# KiCad board 2000ATX.kicad_pcb (continued)
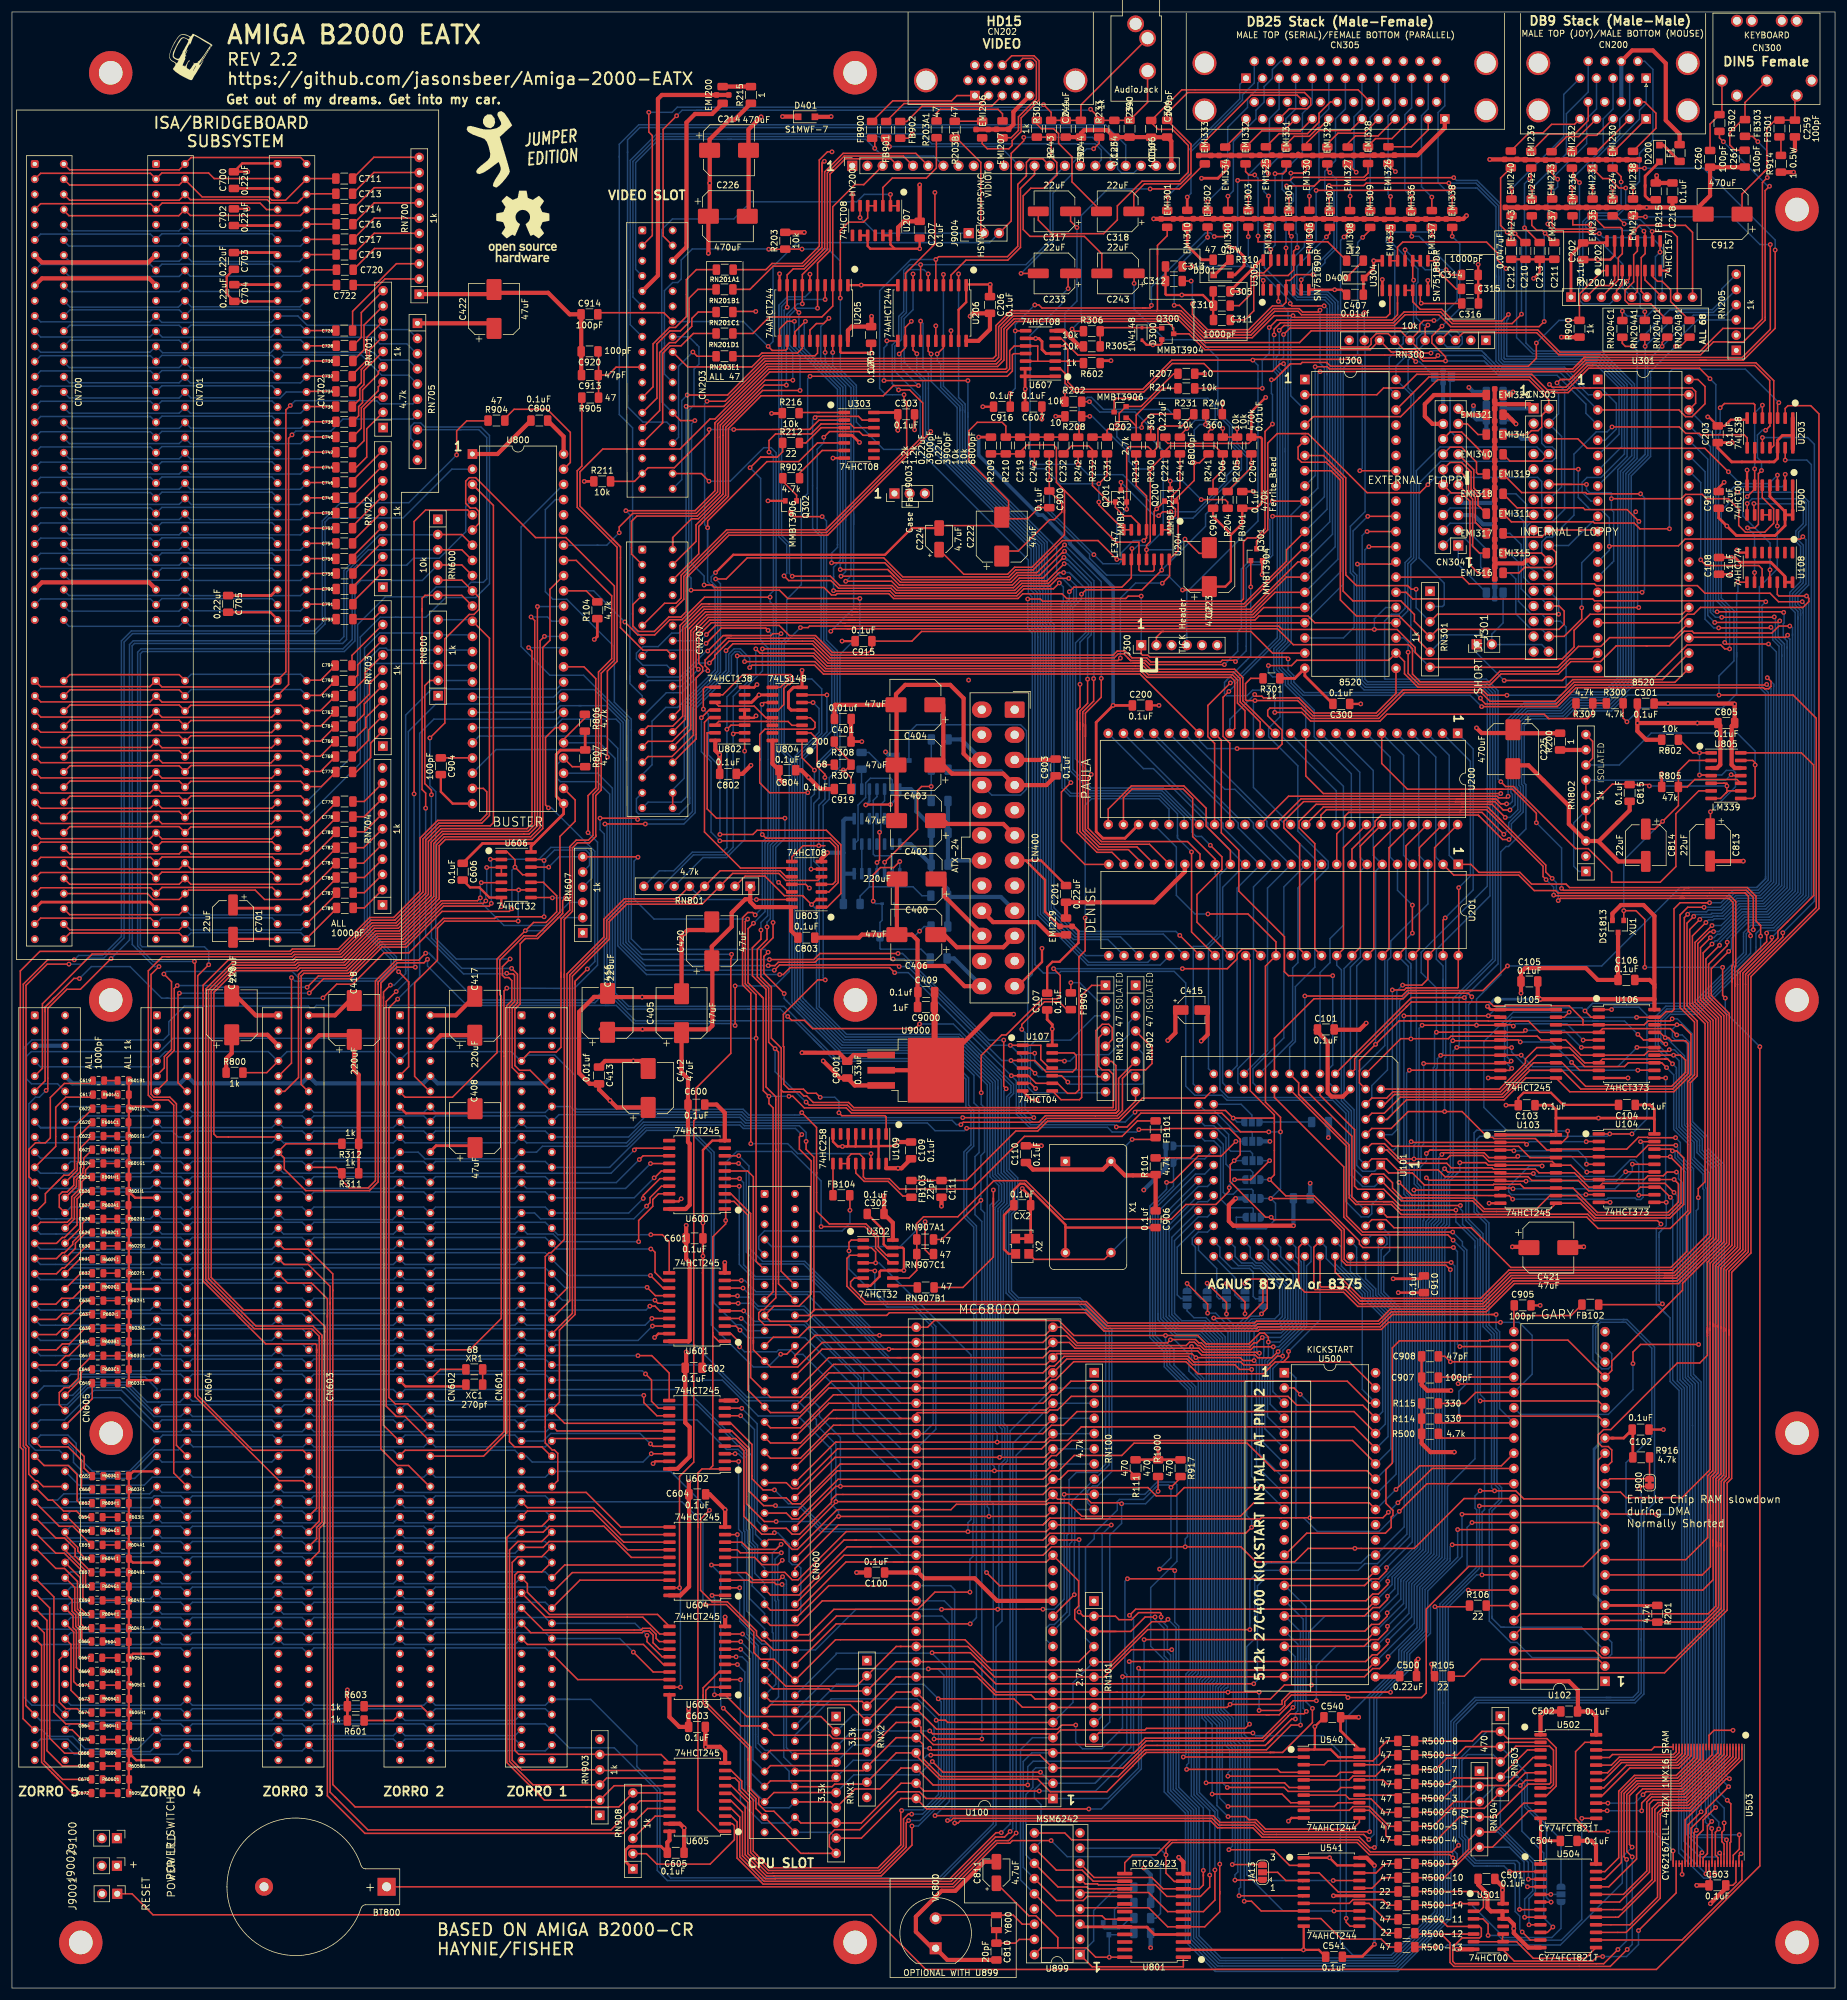
[diagram p0: board, top side]
## Nets (continued)
ECDAC: CN601.15 CN602.15 CN603.15 CN604.15 CN605.15 RN902.8
FC0: CN600.31 RN100.2 U100.28 U605.5
FC1: CN600.33 RN100.3 U100.27 U605.4
FC2: CN600.35 RN100.4 U100.26 U605.3
FLTLEFT: C244.1 CN203.3 CN205.T R243.1 R244.2
FLTRIGHT: C234.1 CN203.4 CN205.R R233.1 R234.2
G0: CN207.6 HY200.11 U206.12
G1: CN207.7 HY200.10 U206.14
G2: CN207.8 HY200.9 U206.16
G3: HY200.8 RN201C1.1 U206.18
M0H: RN204D1.2 RN205.4 U201.9
M0V: RN204C1.2 RN205.6 U201.38
M1H: RN204B1.2 RN205.3 U201.8
M1V: RN204A1.2 RN205.5 U201.39
OVL: U102.30 U300.2
PBUSY: CN207.18 EMI336.1 RN300.6 U301.2 U301.39
PPD0: CN207.23 EMI302.1 U300.10
PPD1: CN207.24 EMI303.1 U300.11
PPD2: CN207.25 EMI304.1 U300.12
PPD3: CN207.26 EMI305.1 U300.13
PPD4: CN207.27 EMI306.1 U300.14
PPD5: CN207.28 EMI307.1 U300.15
PPD6: CN207.29 EMI308.1 U300.16
PPD7: CN207.30 EMI309.1 U300.17
PPOUT: CN207.16 EMI337.1 RN300.7 U301.3 U301.40
PSEL: CN207.21 EMI338.1 Q300.3 RN300.8 U301.4
PSTROBE: CN203.36 EMI301.1 RN300.9 U300.18
R0: CN207.2 HY200.6 U205.9
R1: CN207.3 HY200.5 U205.7
R2: CN207.4 HY200.4 U205.5
R3: HY200.3 RN201D1.1 U205.3
R_W: CN600.68 RN101.6 U100.9 U101.22 U102.12 U300.22 U301.22 U605.6
RAWLEFT: CN207.33 Q200.2 R240.1 R241.2 U204.14
RAWRIGHT: CN207.35 Q201.2 R230.1 R231.2 U204.8
READ: C658.2 CN601.68 CN602.68 CN603.68 CN604.68 CN605.68 RN903.2 U605.14 U800.35
RGA1: U101.33 U200.26 U201.17
RGA2: U101.32 U200.25 U201.16
RGA3: U101.31 U200.24 U201.15
RGA4: U101.30 U200.23 U201.14
RGA5: U101.29 U200.22 U201.13
RGA6: U101.28 U200.21 U201.12
RGA7: U101.27 U200.20 U201.11
RGA8: U101.26 U200.19 U201.10
TBASE: C915.1 CN207.14 J300.2 U300.19
VCDAC: CN207.15 CN600.15 RN902.6
Vref: C219.1 C224.1 R209.2 R210.1 U204.10 U204.12
XCLK: R212.1 U109.14
XRDY: CN600.18 CN601.18 CN602.18 CN603.18 CN604.18 CN605.18 R114.1 U102.31
Net-(BT800-Pad1): BT800.1 R803.1
Net-(C112-Pad2): C112.2 JA5.1
Net-(C201-Pad1): C201.1 EMI229.2 U201.19
Net-(C204-Pad1): C204.1 Q202.3 R204.1 R205.1 R206.1
Net-(C210-Pad1): C210.1 EMI243.1 U200.32
Net-(C211-Pad1): C211.1 EMI242.1 U200.33
Net-(C212-Pad1): C212.1 EMI240.2 U200.35
Net-(C213-Pad1): C213.1 EMI239.2 U200.36
Net-(C231-Pad1): C231.1 C233.1 U204.6 U204.7
Net-(C231-Pad2): C231.2 R231.1 R232.2
Net-(C232-Pad1): C232.1 Q201.1 R232.1 U204.5
Net-(C233-Pad2): C233.2 R233.2
Net-(C241-Pad1): C241.1 C243.1 U204.1 U204.2
Net-(C241-Pad2): C241.2 R241.1 R242.2
Net-(C242-Pad1): C242.1 Q200.1 R242.1 U204.3
Net-(C259-Pad1): C259.1 C912.1 CN300.5 FB301.1
Net-(C260-Pad1): C260.1 CN300.1 FB302.1
Net-(C304-Pad1): C304.1 C318.1 CN305.36
Net-(C306-Pad1): C306.1 C317.2 CN305.43
Net-(C310-Pad1): C310.1 EMI331.1 U305.13
Net-(C311-Pad1): C311.1 EMI330.1 U305.10
Net-(C312-Pad1): C312.1 EMI329.1 U305.4
Net-(C313-Pad1): C313.1 EMI328.1 U305.1
Net-(C314-Pad2): C314.2 EMI325.1 U304.11
Net-(C315-Pad2): C315.2 EMI326.1 U304.8
Net-(C316-Pad2): C316.2 EMI327.1 U304.6
Net-(C318-Pad2): C318.2 R302.2
Net-(C617-Pad1): C617.1 R601A1.2
Net-(C619-Pad1): C619.1 R601B1.2
Net-(C620-Pad1): C620.1 R601C1.2
Net-(C621-Pad1): C621.1 R601D1.2
Net-(C622-Pad1): C622.1 R601E1.2
Net-(C623-Pad1): C623.1 R601F1.2
Net-(C624-Pad1): C624.1 R601G1.2
Net-(C625-Pad1): C625.1 R601H1.2
Net-(C626-Pad1): C626.1 R601I1.2
Net-(C627-Pad1): C627.1 R602A1.2
Net-(C628-Pad1): C628.1 R602B1.2
Net-(C629-Pad1): C629.1 R602C1.2
Net-(C630-Pad1): C630.1 R602D1.2
Net-(C631-Pad1): C631.1 R602E1.2
Net-(C632-Pad1): C632.1 R602F1.2
Net-(C633-Pad1): C633.1 R602G1.2
Net-(C635-Pad1): C635.1 R602H1.2
Net-(C637-Pad1): C637.1 R602I1.2
Net-(C639-Pad1): C639.1 R603A1.2
Net-(C641-Pad1): C641.1 R603B1.2
Net-(C645-Pad1): C645.1 R603C1.2
Net-(C647-Pad1): C647.1 R603D1.2
Net-(C649-Pad1): C649.1 R603E1.2
Net-(C650-Pad1): C650.1 R603F1.2
Net-(C651-Pad1): C651.1 R603G1.2
Net-(C652-Pad1): C652.1 R603H1.2
Net-(C654-Pad1): C654.1 R603I1.2
Net-(C655-Pad1): C655.1 R604A1.2
Net-(C657-Pad1): C657.1 R604B1.2
Net-(C658-Pad1): C658.1 R604C1.2
Net-(C659-Pad1): C659.1 R604D1.2
Net-(C660-Pad1): C660.1 R604E1.2
Net-(C661-Pad1): C661.1 R604F1.2
Net-(C662-Pad1): C662.1 R604G1.2
Net-(C663-Pad1): C663.1 R604H1.2
Net-(C664-Pad1): C664.1 R604I1.2
Net-(C665-Pad1): C665.1 R604.2
Net-(C666-Pad1): C666.1 R605.2
Net-(C667-Pad1): C667.1 R605A1.2
Net-(C668-Pad1): C668.1 R605B1.2
Net-(C669-Pad1): C669.1 R605C1.2
Net-(C670-Pad1): C670.1 R605D1.2
Net-(C671-Pad1): C671.1 R605E1.2
Net-(C672-Pad1): C672.1 R605F1.2
Net-(C673-Pad1): C673.1 R605G1.2
Net-(C674-Pad1): C674.1 R605H1.2
Net-(C675-Pad1): C675.1 R605I1.2
Net-(C711-Pad1): C711.1 RN700.10
Net-(C711-Pad2): C711.2 CN700.A2 CN701.A2 CN702.A2
Net-(C713-Pad1): C713.1 RN700.9
Net-(C713-Pad2): C713.2 CN700.A3 CN701.A3 CN702.A3
Net-(C714-Pad1): C714.1 RN700.8
Net-(C714-Pad2): C714.2 CN700.A4 CN701.A4 CN702.A4
Net-(C716-Pad1): C716.1 RN700.7
Net-(C716-Pad2): C716.2 CN700.A5 CN701.A5 CN702.A5
Net-(C717-Pad1): C717.1 RN700.6
Net-(C717-Pad2): C717.2 CN700.A6 CN701.A6 CN702.A6
Net-(C719-Pad1): C719.1 RN700.5
Net-(C719-Pad2): C719.2 CN700.A7 CN701.A7 CN702.A7
Net-(C720-Pad1): C720.1 RN700.4
Net-(C720-Pad2): C720.2 CN700.A8 CN701.A8 CN702.A8
Net-(C722-Pad1): C722.1 RN700.3
Net-(C722-Pad2): C722.2 CN700.A9 CN701.A9 CN702.A9
Net-(C726-Pad1): C726.1 RN700.2
Net-(C726-Pad2): C726.2 CN700.A12 CN701.A12 CN702.A12
Net-(C728-Pad1): C728.1 RN701.10
Net-(C728-Pad2): C728.2 CN700.A13 CN701.A13 CN702.A13
Net-(C730-Pad1): C730.1 RN701.9
Net-(C730-Pad2): C730.2 CN700.A14 CN701.A14 CN702.A14
Net-(C732-Pad1): C732.1 RN701.8
Net-(C732-Pad2): C732.2 CN700.A15 CN701.A15 CN702.A15
Net-(C734-Pad1): C734.1 RN701.7
Net-(C734-Pad2): C734.2 CN700.A16 CN701.A16 CN702.A16
Net-(C736-Pad1): C736.1 RN701.6
Net-(C736-Pad2): C736.2 CN700.A17 CN701.A17 CN702.A17
Net-(C738-Pad1): C738.1 RN701.5
Net-(C738-Pad2): C738.2 CN700.A18 CN701.A18 CN702.A18
Net-(C740-Pad1): C740.1 RN701.4
Net-(C740-Pad2): C740.2 CN700.A19 CN701.A19 CN702.A19
Net-(C742-Pad1): C742.1 RN701.3
Net-(C742-Pad2): C742.2 CN700.A20 CN701.A20 CN702.A20
Net-(C744-Pad1): C744.1 RN701.2
Net-(C744-Pad2): C744.2 CN700.A21 CN701.A21 CN702.A21
Net-(C746-Pad1): C746.1 RN702.10
Net-(C746-Pad2): C746.2 CN700.A22 CN701.A22 CN702.A22
Net-(C748-Pad1): C748.1 RN702.9
Net-(C748-Pad2): C748.2 CN700.A23 CN701.A23 CN702.A23
Net-(C750-Pad1): C750.1 RN702.8
Net-(C750-Pad2): C750.2 CN700.A24 CN701.A24 CN702.A24
Net-(C752-Pad1): C752.1 RN702.7
Net-(C752-Pad2): C752.2 CN700.A25 CN701.A25 CN702.A25
Net-(C754-Pad1): C754.1 RN702.6
Net-(C754-Pad2): C754.2 CN700.A26 CN701.A26 CN702.A26
Net-(C756-Pad1): C756.1 RN702.5
Net-(C756-Pad2): C756.2 CN700.A27 CN701.A27 CN702.A27
Net-(C758-Pad1): C758.1 RN702.4
Net-(C758-Pad2): C758.2 CN700.A28 CN701.A28 CN702.A28
Net-(C760-Pad1): C760.1 RN703.7
Net-(C760-Pad2): C760.2 CN700.C3 CN701.C3 CN702.C3
Net-(C762-Pad1): C762.1 RN703.6
Net-(C762-Pad2): C762.2 CN700.C4 CN701.C4 CN702.C4
Net-(C764-Pad1): C764.1 RN703.5
Net-(C764-Pad2): C764.2 CN700.C5 CN701.C5 CN702.C5
Net-(C766-Pad1): C766.1 RN703.4
Net-(C766-Pad2): C766.2 CN700.C6 CN701.C6 CN702.C6
Net-(C768-Pad1): C768.1 RN703.3
Net-(C768-Pad2): C768.2 CN700.C7 CN701.C7 CN702.C7
Net-(C770-Pad1): C770.1 RN703.2
Net-(C770-Pad2): C770.2 CN700.C8 CN701.C8 CN702.C8
Net-(C776-Pad1): C776.1 RN704.9
Net-(C776-Pad2): C776.2 CN700.C11 CN701.C11 CN702.C11
Net-(C778-Pad1): C778.1 RN704.8
Net-(C778-Pad2): C778.2 CN700.C12 CN701.C12 CN702.C12
Net-(C780-Pad1): C780.1 RN704.7
Net-(C780-Pad2): C780.2 CN700.C13 CN701.C13 CN702.C13
Net-(C782-Pad1): C782.1 RN704.6
Net-(C782-Pad2): C782.2 CN700.C14 CN701.C14 CN702.C14
Net-(C784-Pad1): C784.1 RN704.5
Net-(C784-Pad2): C784.2 CN700.C15 CN701.C15 CN702.C15
Net-(C786-Pad1): C786.1 RN704.4
Net-(C786-Pad2): C786.2 CN700.C16 CN701.C16 CN702.C16
Net-(C787-Pad1): C787.1 RN704.3
Net-(C787-Pad2): C787.2 CN700.C17 CN701.C17 CN702.C17
Net-(C789-Pad1): C789.1 RN704.2
Net-(C789-Pad2): C789.2 CN700.C18 CN701.C18 CN702.C18
Net-(C790-Pad1): C790.1 RN702.3
Net-(C790-Pad2): C790.2 CN700.A29 CN701.A29 CN702.A29
Net-(C791-Pad1): C791.1 RN702.2
Net-(C791-Pad2): C791.2 CN700.A30 CN701.A30 CN702.A30
Net-(C793-Pad1): C793.1 RN703.10
Net-(C793-Pad2): C793.2 CN700.A31 CN701.A31 CN702.A31
Net-(C794-Pad1): C794.1 RN703.9
Net-(C794-Pad2): C794.2 CN700.C1 CN701.C1 CN702.C1
Net-(C796-Pad1): C796.1 RN703.8
Net-(C796-Pad2): C796.2 CN700.C2 CN701.C2 CN702.C2
Net-(C810-Pad1): C810.1 U899.17 Y800.1
Net-(C813-Pad1): C813.1 R802.1 U805.1 U805.4
Net-(C815-Pad1): C815.1 RN802.1 RN802.4 RN802.5 U805.5 U805.7 U805.9
Net-(C905-Pad1): C905.1 FB102.2 U102.25
Net-(C919-Pad1): C919.1 J9002.1 R307.1 R308.2
Net-(C9103-Pad1): C9103.1 R9103.2 U9101.5
Net-(C9104-Pad1): C9104.1 D9100.1 R9101.1 U9101.1
Net-(C9105-Pad1): C9105.1 R9102.2 R9105.1 U9101.3
Net-(CN200-Pad1): CN200.1 EMI234.2
Net-(CN200-Pad2): CN200.2 EMI235.2
Net-(CN200-Pad3): CN200.3 EMI236.2
Net-(CN200-Pad4): CN200.4 EMI237.2
Net-(CN200-Pad5): CN200.5 EMI243.2
Net-(CN200-Pad9): CN200.9 EMI242.2
Net-(CN200-Pad10): CN200.10 EMI230.2
Net-(CN200-Pad11): CN200.11 EMI231.2
Net-(CN200-Pad12): CN200.12 EMI232.2
Net-(CN200-Pad13): CN200.13 EMI233.2
Net-(CN200-Pad14): CN200.14 EMI240.1
Net-(CN200-Pad15): CN200.15 EMI238.1
Net-(CN200-Pad18): CN200.18 EMI239.1
Net-(CN202-Pad1): CN202.1 FB900.1
Net-(CN202-Pad2): CN202.2 FB901.1
Net-(CN202-Pad3): CN202.3 FB902.1
Net-(CN202-Pad4): CN202.4
Net-(CN202-Pad9): CN202.9
Net-(CN202-Pad11): CN202.11
Net-(CN202-Pad12): CN202.12
Net-(CN202-Pad13): CN202.13 EMI206.2
Net-(CN202-Pad14): CN202.14 EMI207.2
Net-(CN202-Pad15): CN202.15
Net-(CN203-Pad1): CN203.1
Net-(CN203-Pad2): CN203.2
Net-(CN203-Pad5): CN203.5
Net-(CN203-Pad23): CN203.23 RN201A1.2
Net-(CN203-Pad25): CN203.25 RN201B1.2
Net-(CN203-Pad27): CN203.27 RN201C1.2
Net-(CN203-Pad29): CN203.29 RN201D1.2
Net-(CN203-Pad33): CN203.33 R211.2 U303.2
Net-(CN203-Pad35): CN203.35
Net-(CN300-Pad3): CN300.3
Net-(CN303-Pad3): CN303.3
Net-(CN304-Pad1): CN304.1 EMI322.2
Net-(CN304-Pad2): CN304.2 EMI313.2
Net-(CN304-Pad3): CN304.3 EMI323.2
Net-(CN304-Pad4): CN304.4 EMI324.2
Net-(CN304-Pad6): CN304.6 EMI339.2
Net-(CN304-Pad8): CN304.8 EMI314.2
Net-(CN304-Pad9): CN304.9 EMI315.2
Net-(CN304-Pad10): CN304.10 EMI316.2
Net-(CN304-Pad11): CN304.11 EMI317.2
Net-(CN304-Pad12): CN304.12 EMI311.2
Net-(CN304-Pad13): CN304.13 EMI318.2
Net-(CN304-Pad14): CN304.14 EMI319.2
Net-(CN304-Pad15): CN304.15 EMI312.2
Net-(CN304-Pad16): CN304.16 EMI340.2
Net-(CN304-Pad17): CN304.17 EMI341.2
Net-(CN304-Pad18): CN304.18 EMI320.2
Net-(CN304-Pad19): CN304.19 EMI321.2
Net-(CN305-Pad1): CN305.1 EMI301.2
Net-(CN305-Pad2): CN305.2 EMI302.2
Net-(CN305-Pad3): CN305.3 EMI303.2
Net-(CN305-Pad4): CN305.4 EMI304.2
Net-(CN305-Pad5): CN305.5 EMI305.2
Net-(CN305-Pad6): CN305.6 EMI306.2
Net-(CN305-Pad7): CN305.7 EMI307.2
Net-(CN305-Pad8): CN305.8 EMI308.2
Net-(CN305-Pad9): CN305.9 EMI309.2
Net-(CN305-Pad10): CN305.10 EMI335.2
Net-(CN305-Pad11): CN305.11 EMI336.2
Net-(CN305-Pad12): CN305.12 EMI337.2
Net-(CN305-Pad13): CN305.13 EMI338.2
Net-(CN305-Pad14): CN305.14 EMI310.1
Net-(CN305-Pad15): CN305.15
Net-(CN305-Pad16): CN305.16 EMI300.1
Net-(CN305-Pad27): CN305.27 EMI326.2
Net-(CN305-Pad28): CN305.28 EMI328.2
Net-(CN305-Pad29): CN305.29 EMI327.2
Net-(CN305-Pad30): CN305.30 EMI329.2
Net-(CN305-Pad31): CN305.31 EMI330.2
Net-(CN305-Pad33): CN305.33 EMI331.2
Net-(CN305-Pad34): CN305.34 EMI332.1
Net-(CN305-Pad35): CN305.35 EMI334.1
Net-(CN305-Pad37): CN305.37
Net-(CN305-Pad38): CN305.38
Net-(CN305-Pad39): CN305.39
Net-(CN305-Pad40): CN305.40
Net-(CN305-Pad41): CN305.41
Net-(CN305-Pad42): CN305.42
Net-(CN305-Pad44): CN305.44
Net-(CN305-Pad45): CN305.45 EMI325.2
Net-(CN305-Pad46): CN305.46
Net-(CN305-Pad47): CN305.47 EMI333.1
Net-(CN305-Pad48): CN305.48
Net-(CN305-Pad49): CN305.49
Net-(CN305-Pad50): CN305.50
Net-(CN400-Pad8): CN400.8
Net-(CN400-Pad20): CN400.20
Net-(CN601-Pad11): CN601.11
Net-(CN601-Pad97): CN601.97 CN602.97 CN603.97 CN604.97 CN605.97
Net-(CN601-Pad98): CN601.98 CN602.98 CN603.98 CN604.98 CN605.98
Net-(CN700-PadA1): CN700.A1 CN701.A1 CN702.A1
Net-(CN700-PadA10): CN700.A10 CN701.A10 CN702.A10
Net-(CN700-PadA11): CN700.A11 CN701.A11 CN702.A11
Net-(CN700-PadB2): CN700.B2 CN701.B2 CN702.B2
Net-(CN700-PadB4): CN700.B4 CN701.B4 CN702.B4
Net-(CN700-PadB6): CN700.B6 CN701.B6 CN702.B6
Net-(CN700-PadB8): CN700.B8 CN701.B8 CN702.B8
Net-(CN700-PadB11): CN700.B11 CN701.B11 CN702.B11 RN705.2
Net-(CN700-PadB12): CN700.B12 CN701.B12 CN702.B12 RN705.3
Net-(CN700-PadB13): CN700.B13 CN701.B13 CN702.B13 RN705.4
Net-(CN700-PadB14): CN700.B14 CN701.B14 CN702.B14 RN705.5
Net-(CN700-PadB15): CN700.B15 CN701.B15 CN702.B15
Net-(CN700-PadB16): CN700.B16 CN701.B16 CN702.B16
Net-(CN700-PadB17): CN700.B17 CN701.B17 CN702.B17
Net-(CN700-PadB18): CN700.B18 CN701.B18 CN702.B18
Net-(CN700-PadB19): CN700.B19 CN701.B19 CN702.B19
Net-(CN700-PadB20): CN700.B20 CN701.B20 CN702.B20
Net-(CN700-PadB21): CN700.B21 CN701.B21 CN702.B21
Net-(CN700-PadB22): CN700.B22 CN701.B22 CN702.B22
Net-(CN700-PadB23): CN700.B23 CN701.B23 CN702.B23
Net-(CN700-PadB24): CN700.B24 CN701.B24 CN702.B24
Net-(CN700-PadB25): CN700.B25 CN701.B25 CN702.B25
Net-(CN700-PadB26): CN700.B26 CN701.B26 CN702.B26
Net-(CN700-PadB27): CN700.B27 CN701.B27 CN702.B27
Net-(CN700-PadB28): CN700.B28 CN701.B28 CN702.B28
Net-(CN700-PadB30): CN700.B30 CN701.B30 CN702.B30
Net-(CN700-PadC9): CN700.C9 CN701.C9 CN702.C9 RN705.8
Net-(CN700-PadC10): CN700.C10 CN701.C10 CN702.C10 RN705.9
Net-(CN700-PadD1): CN700.D1 CN701.D1 CN702.D1 RN705.6
Net-(CN700-PadD2): CN700.D2 CN701.D2 CN702.D2 RN705.7
Net-(CN700-PadD3): CN700.D3 CN701.D3 CN702.D3
Net-(CN700-PadD4): CN700.D4 CN701.D4 CN702.D4
Net-(CN700-PadD5): CN700.D5 CN701.D5 CN702.D5
Net-(CN700-PadD6): CN700.D6 CN701.D6 CN702.D6
Net-(CN700-PadD7): CN700.D7 CN701.D7 CN702.D7
Net-(CN700-PadD8): CN700.D8 CN701.D8 CN702.D8
Net-(CN700-PadD9): CN700.D9 CN701.D9 CN702.D9
Net-(CN700-PadD10): CN700.D10 CN701.D10 CN702.D10
Net-(CN700-PadD11): CN700.D11 CN701.D11 CN702.D11
Net-(CN700-PadD12): CN700.D12 CN701.D12 CN702.D12
Net-(CN700-PadD13): CN700.D13 CN701.D13 CN702.D13
Net-(CN700-PadD14): CN700.D14 CN701.D14 CN702.D14
Net-(CN700-PadD15): CN700.D15 CN701.D15 CN702.D15
Net-(CN700-PadD17): CN700.D17 CN701.D17 CN702.D17
Net-(D200-Pad1): D200.1 F1.1
Net-(D200-Pad2): D200.2 FB215.2
Net-(D300-Pad1): D300.1 Q300.1 R305.1 R306.2
Net-(D301-Pad1): D301.1 R310.2
Net-(D400-Pad1): D400.1 F2.1
Net-(D401-Pad2): D401.2 EMI334.2
Net-(D800-Pad1): D800.1 R803.2
Net-(D800-Pad2): D800.2 R801.2
Net-(D9100-Pad2): D9100.2 J9100.1 R9100.2 R9101.2
Net-(EMI200-Pad2): EMI200.2 R215.2
Net-(EMI206-Pad1): EMI206.1 R203B1.1
Net-(EMI207-Pad1): EMI207.1 R203A1.1
Net-(EMI230-Pad1): EMI230.1 RN200.2 U202.2
Net-(EMI231-Pad1): EMI231.1 RN200.5 U202.5
Net-(EMI232-Pad1): EMI232.1 RN200.4 U202.3
Net-(EMI233-Pad1): EMI233.1 RN200.7 U202.6
Net-(EMI234-Pad1): EMI234.1 RN200.6 U202.11
Net-(EMI235-Pad1): EMI235.1 RN200.3 U202.14
Net-(EMI236-Pad1): EMI236.1 RN200.8 U202.10
Net-(EMI237-Pad1): EMI237.1 RN200.9 U202.13
Net-(EMI310-Pad2): EMI310.2 R310.1
Net-(EMI320-Pad1): EMI320.1 F3.1
Net-(EMI321-Pad1): EMI321.1 F4.1
Net-(EMI332-Pad2): EMI332.2 F2.2
Net-(EMI333-Pad2): EMI333.2 R306.1
Net-(FB101-Pad1): FB101.1 X1.8 X2.3
Net-(FB101-Pad2): FB101.2 U109.10 U109.11 U109.13
Net-(FB103-Pad2): FB103.2 U109.12
Net-(FB104-Pad1): FB104.1 U109.9
Net-(FB301-Pad2): FB301.2 R914.2
Net-(FB303-Pad2): FB303.2 RN300.4 U300.39
Net-(FB907-Pad2): FB907.2 RN102.2
Net-(J102-Pad2): J102.2 R101.2 U101.41
Net-(J300-Pad5): J300.5
Net-(J301-Pad1): J301.1 U203.6
Net-(J900-Pad2): J900.2 R916.1 U102.14
Net-(J9003-Pad3): J9003.3
Net-(J9004-Pad1): J9004.1 U207.6
Net-(J9004-Pad2): J9004.2 R203B1.2
Net-(JA1-Pad2): JA1.2 U101.36
Net-(JA1-Pad3): JA1.3 R109.2
Net-(JA2-Pad2): JA2.2 U101.35
Net-(JA3-Pad2): JA3.2 U101.38
Net-(JA4-Pad2): JA4.2 U101.37
Net-(JA5-Pad2): JA5.2 U101.40
Net-(JA6-Pad2): JA6.2 U101.39
Net-(JA8-Pad2): JA8.2 U101.55
Net-(JA9-Pad2): JA9.2 U101.54
Net-(JA10-Pad2): JA10.2 U101.53
Net-(JA11-Pad2): JA11.2 U101.52
Net-(JA12-Pad2): JA12.2 U101.51
Net-(JA13-Pad2): JA13.2 U541.4
Net-(Q200-Pad3): Q200.3 R204.2
Net-(Q201-Pad3): Q201.3 R205.2
Net-(Q202-Pad1): Q202.1 R213.2 R214.2
Net-(Q301-Pad1): Q301.1 R300.1 R309.1
Net-(Q302-Pad1): Q302.1 R902.1
Net-(Q302-Pad3): Q302.3 R307.2
Net-(Q9100-Pad1): Q9100.1 R9104.1
Net-(R105-Pad2): R105.2 U102.2
Net-(R106-Pad2): R106.2 U102.43
Net-(R202-Pad2): R202.2 R230.2 U200.30 U204.9
Net-(R203A1-Pad2): R203A1.2 U207.3
Net-(R212-Pad2): R212.2 U303.3
Net-(R216-Pad2): R216.2 U303.1
Net-(R240-Pad2): R240.2 U200.31 U204.13
Net-(R300-Pad2): R300.2 U108.8
Net-(R309-Pad2): R309.2 U102.46 U900.2
Net-(R500-1-Pad2): R500-1.2 U540.18
Net-(R500-2-Pad2): R500-2.2 U540.16
Net-(R500-3-Pad2): R500-3.2 U540.14
Net-(R500-4-Pad2): R500-4.2 U540.12
Net-(R500-5-Pad2): R500-5.2 U540.9
Net-(R500-6-Pad2): R500-6.2 U540.7
Net-(R500-7-Pad2): R500-7.2 U540.5
Net-(R500-8-Pad2): R500-8.2 U540.3
Net-(R500-9-Pad2): R500-9.2 U541.18
Net-(R500-10-Pad2): R500-10.2 U541.16
Net-(R500-11-Pad2): R500-11.2 U541.14
Net-(R500-12-Pad2): R500-12.2 U541.12
Net-(R500-13-Pad2): R500-13.2 U541.9
Net-(R500-14-Pad2): R500-14.2 U541.7
Net-(R500-15-Pad2): R500-15.2 U541.3
Net-(R902-Pad2): R902.2 U303.6
Net-(R904-Pad2): R904.2 U800.47
Net-(R905-Pad2): R905.2 U800.22
Net-(R9104-Pad2): R9104.2 U9102.9
Net-(RN100-Pad8): RN100.8 U100.12 U303.11
Net-(RN102-Pad1): RN102.1 U107.8
Net-(RN102-Pad3): RN102.3 U107.6
Net-(RN102-Pad5): RN102.5 RN102.7 U107.4
Net-(RN203E1-Pad2): RN203E1.2 U205.14
Net-(RN204A1-Pad1): RN204A1.1 U202.4
Net-(RN204B1-Pad1): RN204B1.1 U202.7
Net-(RN204C1-Pad1): RN204C1.1 U202.9
Net-(RN204D1-Pad1): RN204D1.1 U202.12
Net-(RN205-Pad2): RN205.2
Net-(RN300-Pad2): RN300.2
Net-(RN300-Pad10): RN300.10
Net-(RN704-Pad10): RN704.10
Net-(RN705-Pad10): RN705.10
Net-(RN802-Pad6): RN802.6 RN802.7 U805.11
Net-(RN802-Pad10): RN802.8 RN802.10 U805.8 U805.13
Net-(RN902-Pad3): RN902.3 U107.12
Net-(RN902-Pad5): RN902.5 U107.10
Net-(RN902-Pad7): RN902.7 U107.2
Net-(RN903-Pad6): RN903.6
Net-(RN907B1-Pad2): RN907B1.2 U302.8
Net-(RN908-Pad2): RN908.2 U605.2
Net-(RN908-Pad3): RN908.3 U605.18
Net-(RNX2-Pad10): RNX2.10
Net-(U102-Pad15): U102.15 U900.8
Net-(U102-Pad44): U102.44 U203.13
Net-(U102-Pad45): U102.45 U203.10
Net-(U102-Pad47): U102.47 U203.2
Net-(U108-Pad11): U108.11 U203.5 U900.6
Net-(U109-Pad4): U109.4
Net-(U109-Pad7): U109.7
Net-(U201-Pad18): U201.18 U205.4
Net-(U201-Pad20): U201.20 U205.11
Net-(U201-Pad21): U201.21 U205.13
Net-(U201-Pad22): U201.22 U205.15
Net-(U201-Pad23): U201.23 U205.17
Net-(U201-Pad24): U201.24 U206.11
Net-(U201-Pad25): U201.25 U206.13
Net-(U201-Pad26): U201.26 U206.15
Net-(U201-Pad27): U201.27 U206.17
Net-(U201-Pad28): U201.28 U206.8
Net-(U201-Pad29): U201.29 U206.6
Net-(U201-Pad30): U201.30 U206.4
Net-(U201-Pad31): U201.31 U206.2
Net-(U201-Pad33): U201.33 U205.6
Net-(U207-Pad8): U207.8
Net-(U207-Pad11): U207.11
Net-(U300-Pad23): U300.23 U302.3
Net-(U301-Pad18): U301.18
Net-(U301-Pad23): U301.23 U302.6
Net-(U303-Pad8): U303.8
Net-(U303-Pad9): U303.9
Net-(U303-Pad10): U303.10
Net-(U305-Pad2): U305.2
Net-(U305-Pad5): U305.5
Net-(U305-Pad9): U305.9
Net-(U305-Pad12): U305.12
Net-(U501-Pad11): U501.11
Net-(U541-Pad5): U541.5
Net-(U600-Pad9): U600.9
Net-(U600-Pad11): U600.11
Net-(U800-Pad44): U800.44
Net-(U801-Pad22): U801.22
Net-(U801-Pad23): U801.23
Net-(U802-Pad7): U802.7
Net-(U802-Pad9): U802.9 U803.1
Net-(U802-Pad10): U802.10 U804.12
Net-(U802-Pad11): U802.11 U804.13
Net-(U802-Pad12): U802.12 U803.4
Net-(U802-Pad13): U802.13 U803.9
Net-(U802-Pad14): U802.14 U804.3
Net-(U802-Pad15): U802.15 U803.12
Net-(U803-Pad3): U803.3 U804.11
Net-(U803-Pad6): U803.6 U804.1
Net-(U803-Pad8): U803.8 U804.2
Net-(U803-Pad11): U803.11 U804.4
Net-(U804-Pad14): U804.14
Net-(U804-Pad15): U804.15
Net-(U899-Pad16): U899.16 VC800.2 Y800.2
Net-(U900-Pad10): U900.10 U900.11
Net-(U9101-Pad2): U9101.2 U9102.11
Net-(U9101-Pad4): U9101.4 U9102.12
Net-(U9101-Pad6): U9101.6 U9101.9
Net-(U9101-Pad8): U9101.8 U9102.13
Net-(U9102-Pad8): U9102.8
Net-(X1-Pad1): X1.1
Net-(XC1-Pad1): XC1.1 XR1.2

Pads without a net: CN400 1 2 13; RN902 1 2; U108 1 2 3 4 5 6; U503 10 13; U801 3 6 8 17 18 21; U9101 10 11 12 13; U9102 1 2 3 4 5 6

## Via types
v1: diameter 0.8, hole 0.4, Top to Bottom, 1167 vias

## Routing (per net, layer and track width the routed paths; a pad name or vN(x,y) marks a point on that pad's centre or on a via; arc(x,y) is an arc through that point)
+3V3: length 61.3
  Top w0.381: v1(172.21,173.74) 172.21,171.45 168.18,167.41 CN400.12
  Top w0.457: v1(168.91,133.6) 170.31,132.2 CX2.1 170.31,125.52 X2.4 X2.1
  In2.Cu w0.381: v1(172.21,173.74) 172.21,162.31 168.91,159 v1(168.91,133.6)
+5V: length 1144.3
  Top w0.25: 189.76,10.19 189.92,10.19 ; U503.12 283.73,42.24 284.57,43.07 v1(287.74,43.07) ; U503.37 283.73,19.63 283.95,19.42 283.95,17.38 C503.1 ; v1(289.08,22.44) 288.73,22.09 U503.47
  Top w0.381: Q302.2 v1(126.4,248.51) ; 291.47,255.02 291.38,255.1 U203.9
  Top w0.457: R312.1 R311.1 ; RN908.1 102.58,21.14 102.58,23.04 103.22,23.68 108.5,23.68 C605.2 ; 77.38,158.09 77.38,159.77 ; 36.91,159.67 36.74,159.83 ; v1(56.08,49.81) R603.1 R601.1 ; R211.1 v1(95.68,251.76) ; v1(97.36,225.35) 97.87,225.86 R104.1 ; R806.2 95.83,209.98 R807.2 95.8,206.85 91.72,206.85 91,206.13 91,199.15 U800.25 92.23,196.22 87.27,191.26 ; U606.14 86.78,190.77 87.27,191.26 ; 87.27,191.26 84.4,191.26 ; 84.4,191.26 78.69,191.26 C606.1 ; 84.4,191.26 85.36,191.26 ; 80.28,278.18 80.59,277.87 ; C705.1 43.31,232.69 44.4,233.78 ; 44.4,180.44 37.22,180.44 36.96,180.7 ; 24.08,180.39 23.01,181.46 4.93,181.46 CN700.D16 ; C700.1 43.51,300.71 44.4,299.82 ; U540.20 222.13,43 222.13,45.26 222.28,45.42 ; 258.14,145.37 258.14,146.79 257.41,147.52 C103.1 ; 258.14,145.37 v1(265.25,145.37) 274.4,145.37 274.6,145.16 ; 258.14,145.37 U103.20 U103.1 ; U900.13 296.44,246.71 293.9,249.25 U900.4 ; U900.13 296.44,244.37 294.79,242.71 288.3,242.71 v1(286.72,244.3) 285.34,245.67 C918.1 ; U900.13 U900.14 U900.1 ; 128.7,263.12 v1(127,263.12) ; U899.3 179,10.23 U801.20 ; v1(287.6,258.24) C203.2 285.19,257.35 287.53,255.02 294.6,255.02 295.19,255.61 U203.12 ; 222.38,5.28 225.76,5.28 v1(227.79,7.32) ; R308.1 v1(142.09,208.28) ; 267.51,91.9 269.47,91.9 C102.1 270.99,93.22 R916.2 ; 267.51,91.9 U102.17 ; 267.51,91.9 267.76,91.9 ; C303.1 147.8,263.27 U303.14 ; C107.1 173.08,161.85 173.92,161 v1(173.92,160.26) 173.92,157.53 ; 274.6,167.66 274.6,167.21 ; v1(141.7,258.27) 140.46,259.46 U303.4 ; 186.05,10.19 189.76,10.19 191.01,8.94 195.33,8.94 195.35,8.92 ; 169.38,269.29 169.38,270.56 ; 169.38,269.29 174.33,269.29 ; 169.38,269.29 169.38,264.27 C607.2 ; 266.54,91.9 U102.17 ; U102.17 266.29,91.85 ; R301.1 214.48,218.85 U300.20 216.15,219.28 C300.2 ; 274.6,145.16 274.6,146.84 273.87,147.57 C104.1 ; 274.6,145.16 U104.20 ; RN200.1 260.65,289.59 C202.2 266.36,291.62 U202.16 ; U305.14 208.85,288.73 C305.1 v1(205.44,283.51) ; U607.4 172.9,273.13 172.21,273.81 172.21,275.14 171.71,275.64 v1(171.15,275.64) 169.38,275.64 ; 203.63,286.18 D301.2 204.47,286.26 205.99,287.78 205.99,289.31 204.47,290.83 v1(203.71,290.83) ; 291.39,257.11 291.39,256.59 ; R1000.1 v1(191.62,90.02) ; R1000.1 R917.1 ; R1000.1 R111.1 ; 181.89,271.88 181.94,271.93 ; U102.6 266.37,63.93 R201.1 ; U105.20 U105.1 247.22,163.5 v1(246.68,164.03) ; 297.74,259.44 296.01,259.44 295.2,258.62 295.2,257.11 ; C108.2 v1(287.51,239.04) 288.06,239.04 288.86,238.25 294.06,238.25 296.42,235.89 U108.13 U108.14 ; R805.1 v1(275.82,202.92) ; 271.88,211.38 271.75,211.25 ; 263.12,206.88 RN802.9 ; 174.07,64.67 U100.14 ; C910.1 235.58,118.52 v1(230.92,118.52) ; R115.2 R500.1 ; 181.89,271.93 v1(183.74,271.93)
  Top w0.5: 123.6,214.78 v1(124.89,216.08) U804.10 ; U802.6 123.55,214.83
  Top w0.7: 274.6,165.23 v1(255.55,165.23) 255.1,165.68 C105.1 ; 274.6,165.23 274.6,179.15 272.78,180.97 269.01,180.97 267.58,179.54 XU1.2 ; 274.6,165.23 U106.20 ; 271.88,211.38 v1(281.79,211.38) C805.1 285.61,210.98 285.61,204.41 285.06,203.86 U805.3 ; CN700.B29 5.02,234.89 22.92,234.89 24.08,233.73 ; RN705.1 80.28,278.18 ; U800.48 92.23,259.26 C800.1 ; 261.57,24.6 v1(263.52,24.6) 264.08,24.6 264.84,23.85 U504.24 ; v1(112.72,127.44) C601.1 112.72,121.85 113.31,121.26 113.31,108.26 113.11,108.06 113.1,108.08 U601.20 ; v1(112.72,106.29) 112.72,103.78 C602.1 112.57,94.48 113.31,93.74 113.31,88.82 111.24,86.74 U602.20 ; C401.1 140.29,212.04 R308.1 ; v1(274.98,302.87) 274.98,301.63 C218.1 ; 123.43,181.94 122.59,181.94 120.33,179.68 120.33,177.37 117,174.03 C420.1 ; 123.43,181.94 RN801.1 ; 123.43,181.94 123.43,181.52 124.32,180.62 U803.14 ; 123.93,183.62 123.93,184.1 ; CN603.5 42.72,159.28 C419.1 ; U541.20 226.49,21.77 v1(227.79,20.47) ; 297.74,257.11 297.74,259.44 297.73,259.44 U203.1 ; 155.91,185.32 155.91,182.42 162.14,176.19 CN400.22 ; U100.14 164.72,64.69 160.95,68.46 152.49,68.46 U100.49 150.84,69.43 C100.1 ; v1(193.24,158.34) 194.51,159.61 194.51,163.42 ; C540.2 v1(225.16,45.25) ; C301.1 271.75,210.04 273.2,208.58 R802.2 ; C605.2 109.57,24.34 109.93,24.69 U605.20 ; 98.43,160.22 v1(105.42,160.22) 111.93,160.22 111.95,160.19 116.47,160.19 117.09,160.81 117.09,171.39 ; U502.24 264.86,45.4 264.05,46.21 261.81,46.21 261.81,49.76 260.31,51.26 U102.48 ; CN400.21 164.04,178.11 171.39,178.11 173.51,175.99 EMI229.1 ; v1(250.85,123.85) 253.5,123.85 C421.1 ; R200.1 263.12,206.88 ; U101.15 222.51,148.95 220.63,148.95 219.97,149.61 219.97,158.1 217.95,160.12 ; v1(129.06,201.33) 128.24,202.14 C804.1 127.14,204.61 U804.16 ; R203.2 v1(132.46,293.37) ; C109.2 148.74,136.99 v1(148.14,136.99) 146.16,136.99 ; C906.1 191.21,135.6 190.89,135.92 190.76,135.8 186.07,135.8 X1.14 182.39,136.78 170.69,136.78 C110.1 ; CN400.6 165.74,194.51 156.37,194.51 155.81,195.07 ; 274.6,167.66 273.81,168.45 C106.1 ; 155.71,214.43 155.71,204.37 157.16,202.91 165.74,202.91 CN400.4 172.95,201.01 C903.1 ; CN203.6 112.78,290.94 112.78,311.73 114.2,313.16 117.05,313.16 EMI200.1 ; v1(145.79,132.39) C302.2 147.28,127.87 U302.14 ; 113.18,84.59 C604.1 113.18,80.36 113.21,80.33 113.21,67.07 111.74,65.61 U604.20 ; 36.74,159.83 36.74,156.22 35.81,155.29 R800.1 ; R312.1 57.97,152.6 57.19,153.37 57.19,159.22 51.4,159.22 CN603.6 ; U500.22 231.92,52.02 C500.1 ; v1(113.13,46.67) C603.1 111.58,43.64 109.93,45.29 U603.20 ; C405.1 111.95,153.06 113.03,151.98 113.03,141.36 113.31,141.08 113.31,130.85 112.64,130.18 U600.20 ; R500.1 235.68,91.02 237.14,89.56 v1(241.15,89.56) ; 249.21,14.09 v1(249.21,16.36) 249.21,16.95 C501.1 ; C803.1 130.27,176.67 130.27,180.42 ; C417.1 71.72,159.22 CN602.6 ; C303.1 v1(148.1,260.31) ; R914.1 v1(297.86,303.44) ; C503.1 v1(281.68,17.16) ; C802.1 v1(118.32,206.08) 117.6,206.8 117.59,208.43
  In2.Cu w0.457: 231.02,149.08 224.91,149.08 U101.15 224.91,151.36 224.91,154.96
  Bottom w0.457: U102.17 264.52,90.07 264.52,65.79 U102.6 ; v1(255.55,165.23) 247.88,165.23 v1(246.68,164.03) ; v1(227.79,7.32) v1(227.79,20.47)
  Bottom w0.7: 3.78,157.45 8.86,157.45 ; R109.1 v1(220.09,142.11) ; 246.5,261.87 246.5,259.59 ; F4.2 244.86,262.13 244.35,262.64 v1(244.35,264.41) ; CN400.4 165.34,203.31 156.77,203.31 R9102.1 ; v1(189.23,20.07) 190.38,18.92 R804.1 R801.1
  vias: v1(113.21,84.62) v1(169.42,267.21) v1(271.78,211.38)
